# KiCad board FCSat_dual.kicad_pcb (continued)
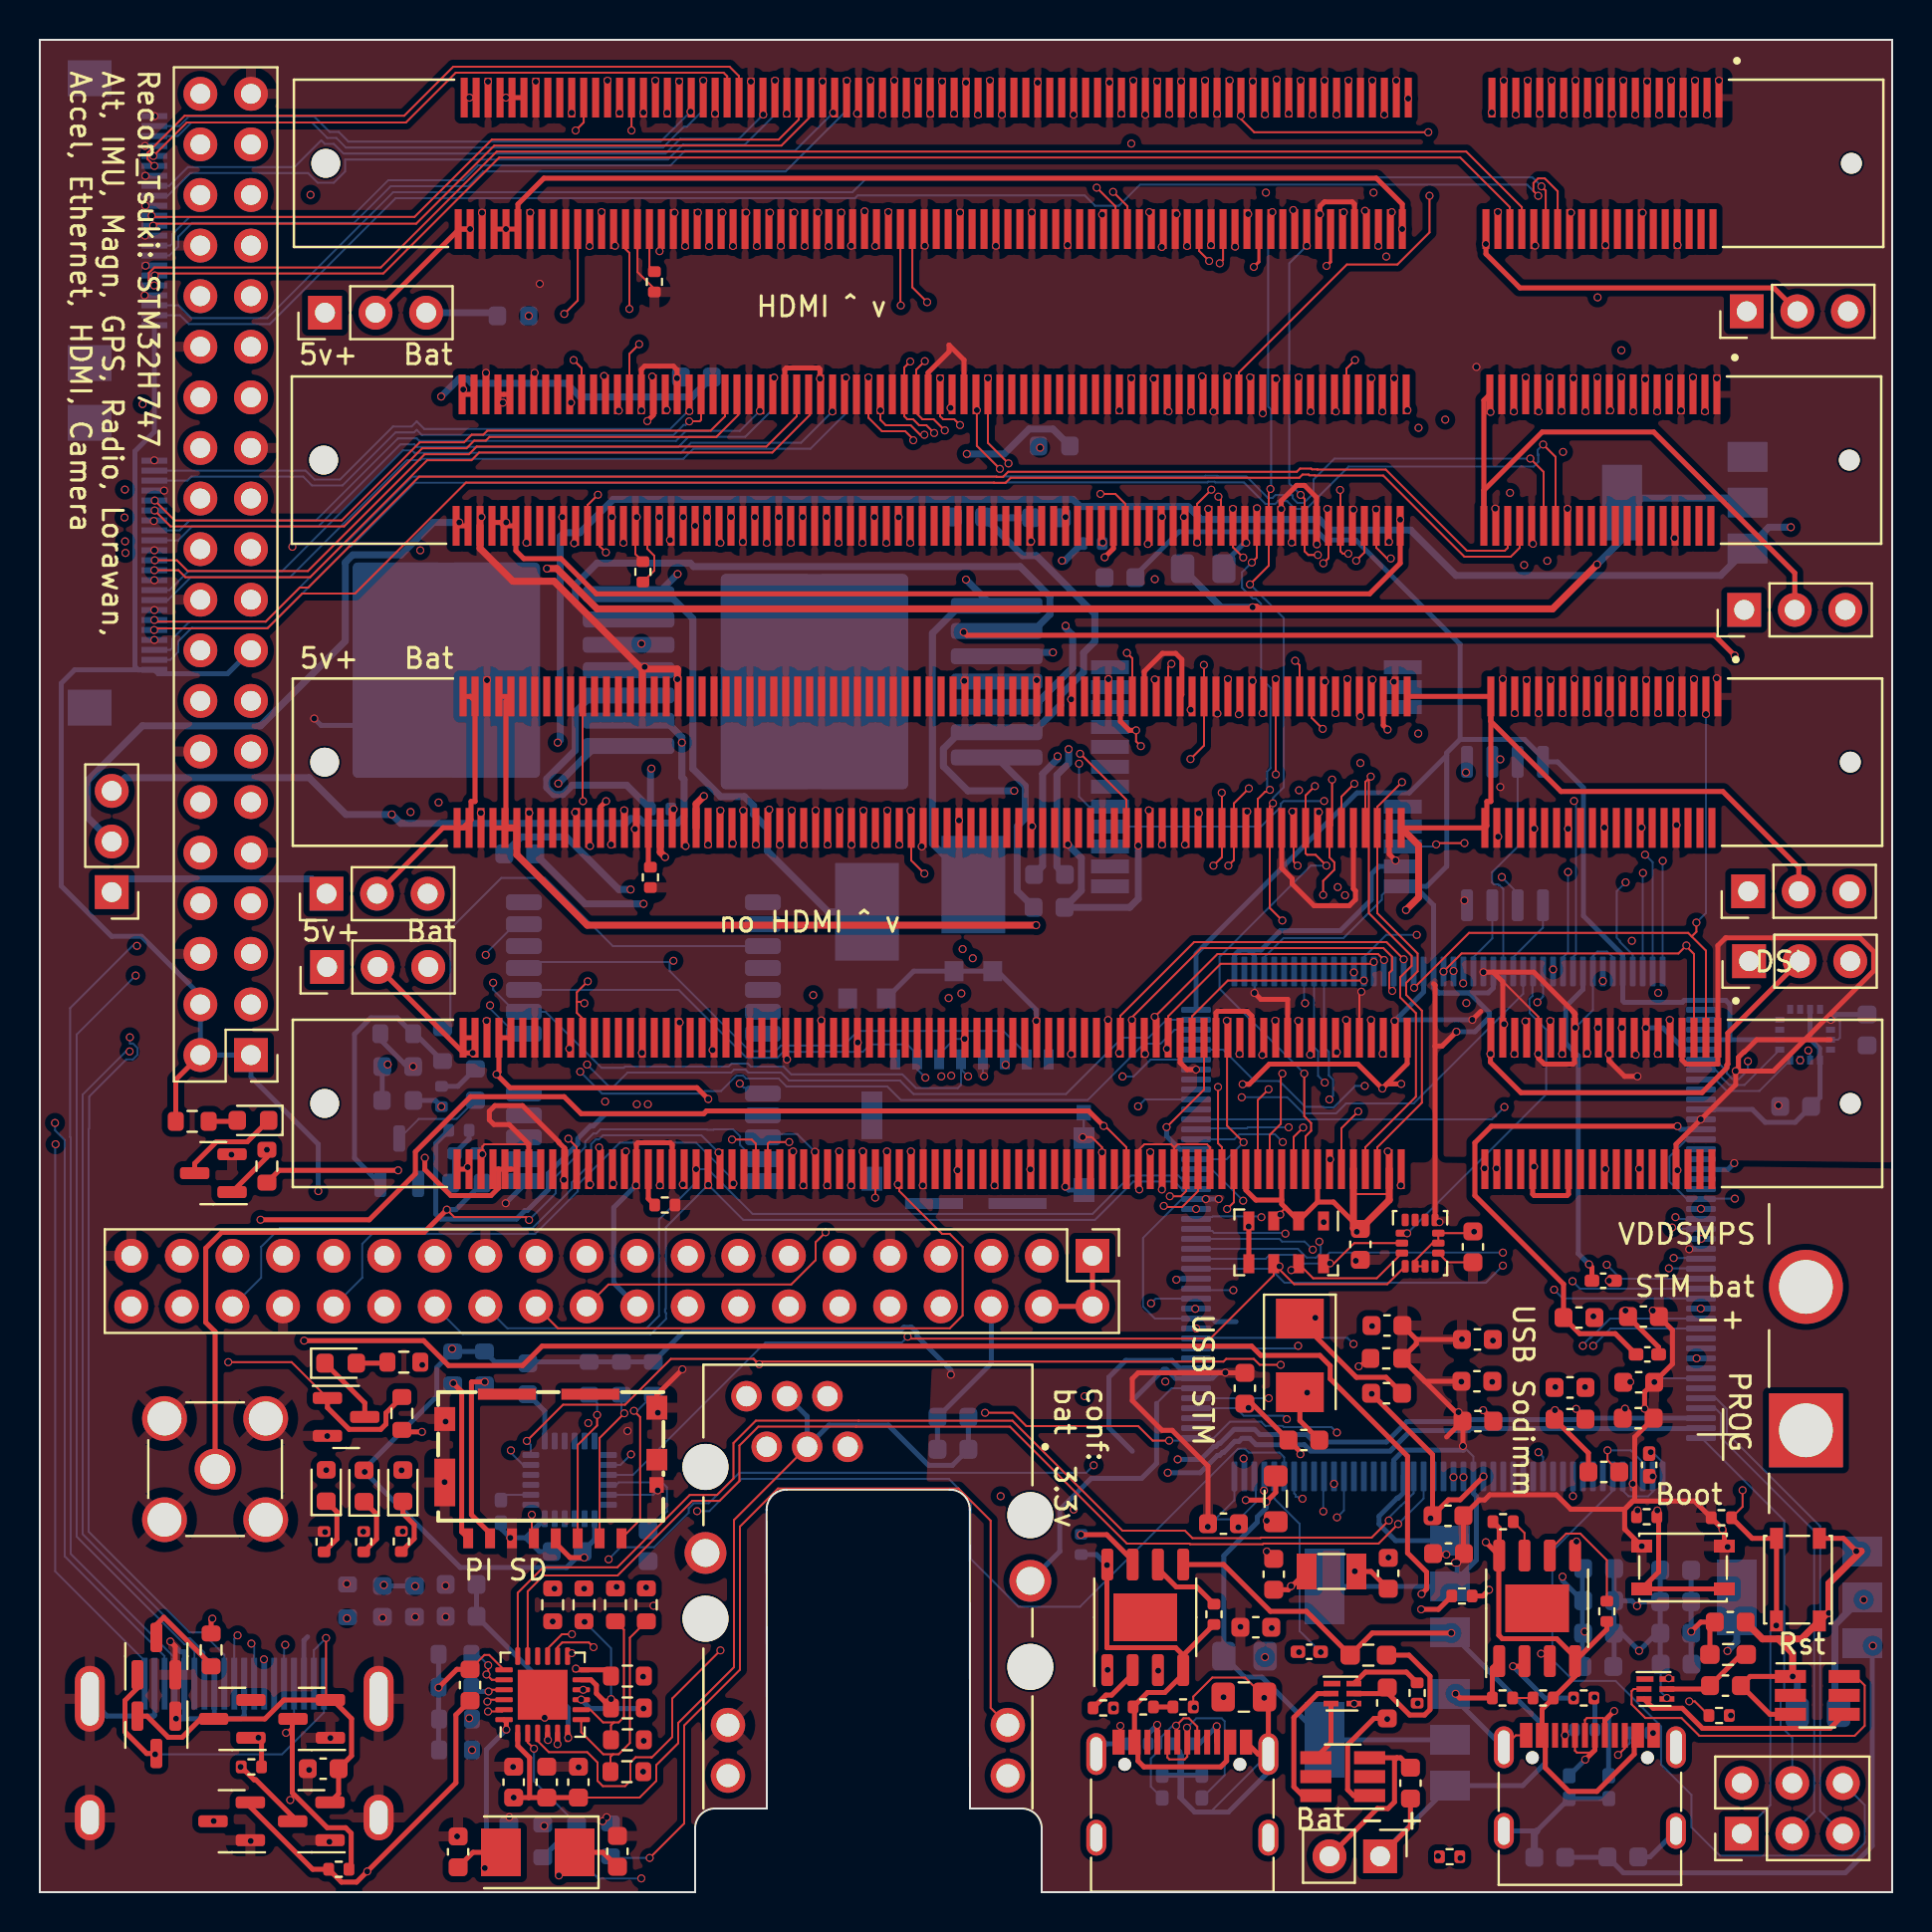
[diagram p0: board, top side]
## Nets (continued)
1CAM1_C_N: P1.8 U3.149
1CAM1_C_P: P1.9 U3.147
1CAM1_D0_N: P1.2 U3.161
1CAM1_D0_P: P1.3 U3.159
1CAM1_D1_N: P1.5 U3.155
1CAM1_D1_P: P1.6 U3.153
1CAM1_D2_N: P1.11 U3.143
1CAM1_D2_P: P1.12 U3.141
1CAM1_D3_N: P1.14 U3.137
1CAM1_D3_P: P1.15 U3.135
1CAM1_IO0: P1.17 U3.36
1CAM1_IO1: P1.18 U3.34
1CD1_SCL: P1.20 U3.30
1CD1_SDA: P1.21 U3.28
1EMMC_EN_N_1V8: Q3.1 R41.2 U3.90
+5P: 1.8vReg2.3 C70.1 C71.1 J7.3 J9.3 L6.2 U6.6 VoltReg2.3
+BATT: C61.1 C62.1 J10.3 J11.3 L5.2 U7.6
/LED1: J5.14 U1.3
/LED2: R27.2 R32.1 U1.2
/RX_N: J5.6 R30.2 U1.22
/RX_P: J5.4 R29.2 U1.23
/TX_N: J5.10 R28.2 U1.20
/TX_P: J5.12 R26.2 U1.21
/TXEN: U1.16
/~{RST}: J12.1 MainMCU1.33 R2.1 SW2.2
CAM1_C_N: P2.8 U2.149
CAM1_C_P: P2.9 U2.147
CAM1_D0_N: P2.2 U2.161
CAM1_D0_P: P2.3 U2.159
CAM1_D1_N: P2.5 U2.155
CAM1_D1_P: P2.6 U2.153
CAM1_D2_N: P2.11 U2.143
CAM1_D2_P: P2.12 U2.141
CAM1_D3_N: P2.14 U2.137
CAM1_D3_P: P2.15 U2.135
CAM1_IO0: P2.17 U2.36
CAM1_IO1: P2.18 U2.34
CD1_SCL: P2.20 U2.30
CD1_SDA: P2.21 U2.28
CRSDV: MainMCU1.52 R19.2
CS0: J3.3 MainMCU1.170
CS1: Accel1.8 MainMCU1.171
CS2: Alt1.4 Alt1.5 MainMCU1.74
CS3: IMU1.12 MainMCU1.75
CS4: GPS1.18 MainMCU1.76
D+: D2.2 MainMCU1.131 USB_C_ESP1.A6 USB_C_ESP1.B6
D-: D3.2 MainMCU1.130 USB_C_ESP1.A7 USB_C_ESP1.B7
DRDY: Magnetometer1.15 MainMCU1.94
E_PIO0: P4.3 U2.128 U3.128 U4.128 U5.128
E_PIO1: P4.5 U2.130 U3.130 U4.130 U5.130
E_PIO2: P4.7 U2.132 U3.132 U4.132 U5.132
E_PIO3: P4.11 U2.136 U3.136 U4.136 U5.136
E_PIO4: P4.13 U2.138 U3.138 U4.138 U5.138
E_PIO5: P4.15 U2.142 U3.142 U4.142 U5.142
E_PIO6: P4.19 U2.144 U3.144 U4.144 U5.144
E_PIO7: P4.21 U2.148 U3.148 U4.148 U5.148
E_PIO8: P4.23 U2.150 U3.150 U4.150 U5.150
E_PIO9: P4.27 U2.162 U3.162 U4.162 U5.162
E_PIO10: U2.166 U3.166 U4.166 U5.166
E_PIO11: P4.29 U2.172 U3.172 U4.172 U5.172
E_PIO12: P4.31 U2.174 U3.174 U4.174 U5.174
E_PIO13: P4.33 U2.176 U3.176 U4.176 U5.176
E_PIO14: P4.35 U2.178 U3.178 U4.178 U5.178
E_PIO15: P4.37 U2.180 U3.180 U4.180 U5.180
E_PIO16: P4.8
E_PIO17: P4.10
E_PIO18: P4.12 U2.179 U3.179 U4.179 U5.179
E_PIO19: P4.16
E_PIO20: P4.18
EMMC_EN_N_1V8: Q4.1 R59.2 U2.90
FIO0: Flash32MBit1.5 MainMCU1.67
FIO1: Flash32MBit1.2 MainMCU1.68
FIO2: Flash32MBit1.3 MainMCU1.69
FIO3: Flash32MBit1.7 MainMCU1.72
FIO_clk: Flash32MBit1.6 MainMCU1.57
FIO_NCS: Flash32MBit1.1 MainMCU1.73
GPIO0: MainMCU1.63 P3.27 U2.3 U3.3 U4.3 U5.3
GPIO1: MainMCU1.66 P3.28 U2.5 U3.5 U4.5 U5.5
GPIO2: MainMCU1.110 P3.3 U2.9 U3.9 U4.9 U5.9
GPIO3: MainMCU1.111 P3.5 U2.11 U3.11 U4.11 U5.11
GPIO4: MainMCU1.114 P3.7 U2.15 U3.15 U4.15 U5.15
GPIO5: MainMCU1.115 P3.29 U2.17 U3.17 U4.17 U5.17
GPIO6: MainMCU1.116 P3.31 U2.21 U3.21 U4.21 U5.21
GPIO7: MainMCU1.117 P3.26 U2.23 U3.23 U4.23 U5.23
GPIO8: MainMCU1.118 P3.24 U2.27 U3.27 U4.27 U5.27
GPIO9: MainMCU1.153 P3.21 U2.29 U3.29 U4.29 U5.29
GPIO10: MainMCU1.18 P3.19 U2.33 U3.33 U4.33 U5.33
GPIO11: MainMCU1.19 P3.23 U2.35 U3.35 U4.35 U5.35
GPIO12: P3.32 U2.45 U3.45 U4.45 U5.45
GPIO13: P3.33 U2.47 U3.47 U4.47 U5.47
GPIO16: MainMCU1.20 P3.36 U2.57 U3.57 U4.57 U5.57
GPIO17: MainMCU1.21 P3.11 U2.59 U3.59 U4.59 U5.59
GPIO18: MainMCU1.22 P3.12 U2.63 U3.63 U4.63 U5.63
GPIO19: MainMCU1.23 P3.35 U2.65 U3.65 U4.65 U5.65
GPIO20: MainMCU1.28 P3.38 U2.69 U3.69 U4.69 U5.69
GPIO21: MainMCU1.29 P3.40 U2.71 U3.71 U4.71 U5.71
GPIO22: MainMCU1.30 P3.15 U2.75 U3.75 U4.75 U5.75
GPIO23: MainMCU1.58 P3.16 U2.77 U3.77 U4.77 U5.77
GPIO24: MainMCU1.59 P3.18 U2.81 U3.81 U4.81 U5.81
GPIO25: MainMCU1.60 P3.22 U2.83 U3.83 U4.83 U5.83
GPIO26: MainMCU1.61 P3.37 U2.87 U3.87 U4.87 U5.87
GPIO27: MainMCU1.62 P3.13 U2.89 U3.89 U4.89 U5.89
GPSrst: GPS1.8 LoRaWan1.18 Magnetometer1.14 MainMCU1.77
HDMI_CEC: D8.3 J8.13 U2.171 U3.171
HDMI_CLK_N: J8.12 U2.111 U3.111
HDMI_CLK_P: J8.10 U2.113 U3.113
HDMI_D0_N: J8.9 U2.117 U3.117
HDMI_D0_P: J8.7 U2.119 U3.119
HDMI_D1_N: J8.6 U2.123 U3.123
HDMI_D1_P: J8.4 U2.125 U3.125
HDMI_D2_N: J8.3 U2.129 U3.129
HDMI_D2_P: J8.1 U2.131 U3.131
HDMI_HPD_N_1V8: R44.1 U2.88 U3.88 U4.88 U5.88
HDMI_SCL: D9.3 J8.15 R38.2 U2.175 U3.175
HDMI_SDA: D10.3 J8.16 R39.2 U2.173 U3.173
is_Charg: R7.1 R8.2
is_Charg1: R47.1 R48.2
MDC: MainMCU1.35 U1.13
MDIO: MainMCU1.43 R24.2 U1.12
PC_RX: MainMCU1.86 P3.10 P4.38 U2.53 U3.53 U4.53 U5.53
PC_TX: MainMCU1.85 P3.8 P4.40 U2.51 U3.51 U4.51 U5.51
power0 : J14.2 U2.39 U2.40 U2.41 U2.42 U2.189 U2.190 U2.191 U2.192 U2.193 U2.194
power1 : J13.2 U3.39 U3.40 U3.41 U3.42 U3.190 U3.191 U3.192 U3.193 U3.194
power2 : J15.2 U4.39 U4.40 U4.41 U4.42 U4.190 U4.191 U4.192 U4.193 U4.194
power3 : J16.2 U5.39 U5.40 U5.41 U5.42 U5.190 U5.191 U5.192 U5.193 U5.194
REFCLK: MainMCU1.42 R20.2
RXD0: MainMCU1.54 R17.2
RXD1: MainMCU1.53 R18.2
SCK: Accel1.23 Alt1.8 GPS1.19 IMU1.13 J3.5 MainMCU1.1
SCL: Magnetometer1.1 MainMCU1.95
SDA: Magnetometer1.16 MainMCU1.96
SDI: Accel1.9 Alt1.6 GPS1.20 IMU1.1 J3.7 MainMCU1.5
SDMMC1_CK: J6.5 MainMCU1.142
SDMMC1_CMD: J6.3 MainMCU1.145 R35.2
SDMMC1_D0: J6.7 MainMCU1.124 R34.2
SDO: Accel1.24 Alt1.7 GPS1.21 IMU1.14 J3.2 MainMCU1.4
Sodimm_PIO32: U2.46 U3.46 U4.46 U5.46
Sodimm_PIO33: U2.48 U3.48 U4.48 U5.48
Sodimm_PIO34: U2.52 U3.52 U4.52 U5.52
Sodimm_PIO35: U2.54 U3.54 U4.54 U5.54
Sodimm_PIO36: U2.58 U3.58 U4.58 U5.58
Sodimm_PIO37: U2.60 U3.60 U4.60 U5.60
Sodimm_PIO38: U2.64 U3.64 U4.64 U5.64
Sodimm_PIO39: U2.66 U3.66 U4.66 U5.66
Sodimm_PIO40: U2.70 U3.70 U4.70 U5.70
Sodimm_PIO41: U2.72 U3.72 U4.72 U5.72
Sodimm_PIO42: U2.76 U3.76 U4.76 U5.76
Sodimm_PIO43: U2.78 U3.78 U4.78 U5.78
Sodimm_PIO44: U2.82 U3.82 U4.82 U5.82
Sodimm_PIO45: U2.84 U3.84 U4.84 U5.84
SWclk: J12.6 MainMCU1.138
SWDIO: J12.4 MainMCU1.132
TXD0: MainMCU1.157 U1.17
TXD1: MainMCU1.158 U1.18
U0_RX: MainMCU1.87 P4.32 U2.154 U3.154 U4.154 U5.154
U0_TX: MainMCU1.88 P4.36 U2.156 U3.156 U4.156 U5.156
U1_RX: MainMCU1.27 P4.26 U2.160 U3.160 U4.160 U5.160
U1_TX: MainMCU1.26 P4.28 U2.158 U3.158 U4.158 U5.158
u1Rx: LoRaWan1.4 MainMCU1.166
u1Tx: LoRaWan1.5 MainMCU1.165
U2_RX: MainMCU1.78 P4.22 U2.124 U3.124 U4.124 U5.124
U2_TX: MainMCU1.79 P4.24 U2.126 U3.126 U4.126 U5.126
USART1_RX: J12.3 MainMCU1.129
USART1_TX: J12.5 MainMCU1.128
USB_D_N: D12.2 U2.167 U3.167 USB_C_ESP3.A7 USB_C_ESP3.B7
USB_D_P: D4.2 U2.165 U3.165 USB_C_ESP3.A6 USB_C_ESP3.B6
~{Reset}: MainMCU1.154 U1.15
Net-(1.8vReg1-VI): 1.8vReg1.3 BAT1.1 BATCharge1.5 C35.1 R15.1 VoltReg1.3
Net-(#FLG01-pwr): C42.1 C44.1 U1.6
Net-(#FLG02-pwr): C43.1 C45.1 C46.1 C47.1 C48.1 J5.5 J5.11 L4.2 R26.1 R28.1 R29.1 R30.1 U1.1 U1.19
Net-(Accel1-CPOUT): Accel1.20 C31.1
Net-(Accel1-REGOUT): Accel1.10 C32.2
Net-(BATCharge1-Prog): BATCharge1.2 R13.1
Net-(BATCharge1-~{CHRG}): BATCharge1.7 R10.1
Net-(BATCharge1-~{STDBY}): BATCharge1.6 R9.1
Net-(BATCharge2-BAT): BATCharge2.5 R61.1
Net-(BATCharge2-Prog): BATCharge2.2 R53.1
Net-(BATCharge2-~{CHRG}): BATCharge2.7 R50.1
Net-(BATCharge2-~{STDBY}): BATCharge2.6 R49.1
Net-(BatProt1-BAT): BatProt1.5 C34.2 R15.2
Net-(BatProt1-Cout): BatProt1.2 PowerMosfet1.6
Net-(BatProt1-Dout): BatProt1.3 PowerMosfet1.4
Net-(BatProt1-V-): BatProt1.6 R14.1
Net-(BatProt2-BAT): BatProt2.5 C51.2 R55.2
Net-(BatProt2-Cout): BatProt2.2 PowerMosfet2.6
Net-(BatProt2-Dout): BatProt2.3 PowerMosfet2.4
Net-(BatProt2-V-): BatProt2.6 R54.1
Net-(C5-Pad2): C5.2 MainMCU1.80
Net-(C6-Pad2): C6.2 MainMCU1.133
Net-(C7-Pad2): C7.2 MainMCU1.82 MainMCU1.135 MainMCU1.175
Net-(C23-Pad2): C23.2 MainMCU1.172
Net-(C33-Pad1): C33.1 L2.2 R4.1
Net-(D1-A): D1.2 R6.1
Net-(D1-K): D1.1 Q1.3
Net-(D5-A): D5.2 R42.2
Net-(D5-K): D5.1 Q3.3
Net-(D6-K): D6.1 R56.1
Net-(D10-K): C53.1 D7.3 D9.2 D10.2 D11.2 J8.18
Net-(D11-common): D11.3 J8.19 Q2.1
Net-(D13-K): D13.1 R57.1
Net-(D14-K): D14.1 R58.1
Net-(D15-A): D15.2 R60.2
Net-(D15-K): D15.1 Q4.3
Net-(D16-K): D16.3 L5.1 U7.1
Net-(D17-K): D17.3 L6.1 U6.1
Net-(GPS1-RF_IN): GPS1.11 J4.1 L2.1
Net-(GPS1-TIMEPULSE): GPS1.3 R3.1
Net-(GPS1-VCC): C25.2 FB1.2 GPS1.23
Net-(GPS1-VCC_RF): GPS1.9 R4.2
Net-(J5-Pad13): J5.13 R31.2
Net-(J5-Pad16): J5.16 R32.2
Net-(J6-CD/DAT3): J6.2 R36.2
Net-(J6-DAT1): J6.8 R33.2
Net-(J6-DAT2): J6.1 R37.2
Net-(J7-Pin_2): J7.2 U2.197 U2.198 U2.199 U2.200
Net-(J9-Pin_2): J9.2 U3.197 U3.198 U3.199 U3.200
Net-(J10-Pin_2): J10.2 U4.197 U4.198 U4.199 U4.200
Net-(J11-Pin_2): J11.2 U5.197 U5.198 U5.199 U5.200
Net-(MainMCU1-BOOT0): MainMCU1.167 R1.1 SW1.2
Net-(MainMCU1-PC14): C3.2 MainMCU1.10 Y1.2
Net-(MainMCU1-PC15): C1.2 MainMCU1.11 Y1.1
Net-(MainMCU1-PH0): C2.1 MainMCU1.31 Y2.2
Net-(MainMCU1-PH1): C4.1 MainMCU1.32 Y2.1
Net-(MainMCU1-VCAPDSI): C24.2 C49.2 MainMCU1.101
Net-(MainMCU1-VDD12DSI-Pad102): MainMCU1.102 MainMCU1.108 R63.1
Net-(MainMCU1-VDD33_USB): C21.2 MainMCU1.121
Net-(MainMCU1-VDD50_USB): C22.2 MainMCU1.120
Net-(MainMCU1-VLXSMPS): L3.2 MainMCU1.15
Net-(PowerMosfet1-S2): BAT1.2 C35.2 PowerMosfet1.3
Net-(Q1-B): Q1.2 R3.2 R5.2
Net-(Q2-D): Q2.3 R44.2
Net-(U1-CRS_DV/MODE2): R19.1 R23.2 U1.11
Net-(U1-RBIAS): R25.1 U1.24
Net-(U1-RXD0/MODE0): R17.1 R21.2 U1.8
Net-(U1-RXD1/MODE1): R18.1 R22.2 U1.7
Net-(U1-RXER/PHYAD0): R16.2 U1.10
Net-(U1-XTAL1/CLKIN): C38.2 U1.5 Y3.1
Net-(U1-XTAL2): C39.2 U1.4 Y3.2
Net-(U1-~{INT}/REFCLKO): R20.1 U1.14
Net-(U2-USB_OTGID): R40.2 U2.168
Net-(U3-USB_OTGID): R43.2 U3.168
Net-(U4-USB_OTGID): R45.2 U4.168
Net-(U5-USB_OTGID): R46.2 U5.168
Net-(U6-CB): C68.1 U6.3
Net-(U6-Input): BAT2.1 C52.1 C57.1 C58.1 C59.1 C60.1 C64.1 C65.1 C66.1 C67.1 R55.1 R61.2 U6.2 U7.2
Net-(U6-SS): C69.1 U6.7
Net-(U6-VSW): C68.2 R62.2 U6.5
Net-(U7-CB): C63.1 U7.3
Net-(U7-SS): C56.1 U7.7
Net-(U7-VSW): C63.2 Rw1.2 U7.5
Net-(USB_C_ESP1-CC1): R11.2 USB_C_ESP1.A5
Net-(USB_C_ESP1-CC2): R12.2 USB_C_ESP1.B5
Net-(USB_C_ESP3-CC1): R51.2 USB_C_ESP3.A5
Net-(USB_C_ESP3-CC2): R52.2 USB_C_ESP3.B5

Pads without a net: Accel1 2 3 4 5 6 7 12 14 15 16 17 19 21 22; BATCharge1 9; BATCharge2 9; BatProt1 1; BatProt2 1; D7 2; GPS1 1 4 5 6 7 14 15 16 17 22; IMU1 4 9 10 11; J3 1 8 12 13 14 15; J6 14 15; J8 14; J13 3; J14 3; J15 3; J16 3; LoRaWan1 1 2 3 6 7 8 9 10 12 15 16 17; Magnetometer1 3 4 5 6 8 10 12; MainMCU1 2 3 9 34 36 37 41 46 49 50 51 55 56 89 90 91 97 98 103 104 106 107 122 123 125 127 139 140 141 143 144 146 147 148 149 150 155 156 161 162 163 164 168 169; P1 MP; P2 MP; PowerMosfet1 2 5; PowerMosfet2 2 5; U2 2 4 6 10 12 16 18 22 24 93 94 95 96 99 100 101 102 105 106 107 108 112 114 118 120 177 183 184 185 186; U3 2 4 6 10 12 16 18 22 24 93 94 95 96 99 100 101 102 105 106 107 108 112 114 118 120 177 183 184 185 186 189; U4 2 4 6 10 12 16 18 22 24 28 30 34 36 90 93 94 95 96 99 100 101 102 105 106 107 108 111 112 113 114 117 118 119 120 123 125 129 131 135 137 141 143 147 149 153 155 159 161 165 167 171 173 175 177 183 184 185 186 189; U5 2 4 6 10 12 16 18 22 24 28 30 34 36 90 93 94 95 96 99 100 101 102 105 106 107 108 111 112 113 114 117 118 119 120 123 125 129 131 135 137 141 143 147 149 153 155 159 161 165 167 171 173 175 177 183 184 185 186 189; USB_C_ESP1 A8 B8; USB_C_ESP3 A8 B8

## Via types
v1: diameter 0.4, hole 0.3, Top to Bottom, 993 vias

## Routing (per net, layer and track width the routed paths; a pad name or vN(x,y) marks a point on that pad's centre or on a via; arc(x,y) is an arc through that point)
+1V8: length 81.5
  Top w0.25: L3.1 62.05,20.07 v1(61.58,19.6) 61.49,19.68 v1(60.55,19.68)
  In1.Cu w0.25: v1(57.06,30.75) 56.53,30.22 56.53,24.64 60.55,20.62 v1(60.55,19.68)
  In2.Cu w0.25: v1(18.16,21.18) 18.16,23.11 19.33,24.28 23.03,24.28 23.23,24.07 26.45,24.07 27.72,25.34 34.39,25.34 34.39,25.35 35.03,25.99 39.99,25.99 40.63,25.35 40.63,25.34 43.09,25.34 43.75,24.68 48.2,24.68 48.47,24.41 52.91,24.41 53.67,25.17 53.67,25.67 53.86,25.85 56.29,25.85 v1(56.51,25.64)
  Bottom w0.25: 1.8vReg1.2 1.8vReg1.2 61.35,10.8 60.49,10.8 C36.1 59.44,16.89 61.13,18.58 61.13,18.85 61.58,19.3 v1(61.58,19.6) ; MainMCU1.17 57.11,30.8 v1(57.06,30.75)
+3.3V: length 330.3
  Top w0.1: 71.95,31.62 70.67,31.62 IMU1.5
  Top w0.25: 69.11,27.75 C16.1 ; 69.11,27.75 C13.1 ; 69.11,27.75 69.11,27.52 L1.2 ; 71.5,16.88 v1(71.16,16.54) ; 79.57,19.23 79.57,18.23 80.42,17.38 ; 79.57,19.23 80.08,19.73 ; 79.57,19.23 76.86,19.23 76.14,19.95 72.79,19.95 72.54,19.69 72.27,19.69 C12.1 71.48,16.97 v1(71.05,16.54) ; 79.57,19.23 79.84,19.5 ; v1(27.33,16.8) 26.62,16.8 25.9,17.52 ; 79.84,19.5 79.98,19.64 83.08,19.64 R2.2 84.58,18.14 SW1.1 ; 79.84,19.5 80.08,19.73 ; L1.2 69.54,25.65 71.38,25.65 ; L1.2 71.42,23.76 ; C11.1 81.97,28.22 81.97,26.52 C10.1 80.57,25.12 v1(80.57,24.27) ; 70.05,42.48 70.4,42.48 v1(71.12,43.2) ; 70.05,42.48 70.05,45.54 69.98,45.61 ; 70.05,42.48 IMU1.8 ; 81.02,23.8 80.08,22.85 80.08,19.73 ; C8.1 58.65,21.39 56.85,23.19 56.34,23.19 54.85,24.68 54.85,25.78 55.14,26.07 60.5,26.07 ; v1(71.45,22.4) 71.45,23.62 ; C15.1 70.63,22.85
  In1.Cu w0.25: v1(20.7,27.28) 21.01,27.58 21.01,38.59 v1(20.16,39.44)
  In2.Cu w0.1: v1(47.41,40.96) 51.04,40.96 51.11,41.03 54.28,41.03 v1(54.36,40.95)
  Bottom w0.1: MainMCU1.126 81.25,25.8 v1(81.06,25.61) ; 67.83,50.5 67.38,50.05 67.38,49.83 65.45,47.9 62.44,47.9 61.48,46.93 MainMCU1.48 ; J3.4 47.35,41.02 v1(47.41,40.96) ; v1(54.36,40.95) 54.91,40.95 55.65,41.69 55.66,41.69 55.77,41.8 MainMCU1.39 ; MainMCU1.152 71.98,21.88 v1(71.45,22.4) ; MainMCU1.25 57.34,34.8 55.39,32.85 55.39,29.39 55.99,28.8 MainMCU1.13 ; 61.05,20.8 61.05,19.57 60.2,18.72 59.01,18.72 v1(58.64,18.35) 59.98,19.68 MainMCU1.176
  Bottom w0.25: 70.23,45.15 69.98,45.41 MainMCU1.65 69.98,49.55 69.03,50.5 ; 70.23,45.15 72.72,45.15 72.98,45.41 MainMCU1.71 ; 70.23,45.15 71.78,45.15 72.78,44.15 72.78,43.93 72.05,43.2 v1(71.12,43.2) ; VoltReg1.2 VoltReg1.2 72.13,16.67 72.13,19.88 71.98,20.02 MainMCU1.152 ; 70.63,57.07 68.76,55.2 66.13,55.2 58.05,47.11 MainMCU1.44 ; 70.63,57.07 70.63,57.2 71.31,57.88 ; 70.63,57.07 70.63,51.51 69.63,50.5 LoRaWan1.20 ; 18.76,39.75 19.86,39.75 R6.2 ; MainMCU1.160 67.98,21.69 68.47,22.19 71.48,22.19 71.48,22.37 v1(71.45,22.4) ; v1(59.52,26.09) 59.15,26.09 58.87,25.8 MainMCU1.7 57.01,25.8 56.56,26.25 56.42,26.25 54.85,24.68 ; 55,66.11 57.19,68.3 64.15,68.3 64.57,67.89 66.07,67.89 71.31,62.65 71.31,57.88 ; 84.85,42.8 Magnetometer1.2 88.88,42.8 ; 84.85,42.8 84.85,44.57 84.64,44.77 82.56,44.77 82.46,44.68 79.55,44.68 79.48,44.75 MainMCU1.84 79.48,47.04 77.5,49.02 77.5,55.45 76.2,56.75 75.46,56.75 ; 84.85,42.8 MainMCU1.92 ; 60.06,28.64 59.03,28.64 58.87,28.8 58.02,28.8 ; 75.46,56.95 74.54,57.88 71.31,57.88 ; 89.36,41.8 89.36,42.37 88.92,42.8 88.88,42.8 ; Magnetometer1.13 89.38,39.9 C18.1 88.13,38.65 86.63,38.65 85.98,39.3 MainMCU1.99 ; 88.88,42.8 Magnetometer1.7 ; MainMCU1.8 57.23,26.3 56.83,26.7 54.52,26.7 53.67,25.85 53.67,23.31 54.85,22.14 ; Accel1.13 27.85,17.7 C26.1 26.45,16.3 21.11,16.3 v1(16.31,21.1) 16.31,21.27 19.93,24.89 19.93,26.34 R33.1 R34.1 22.84,26.62 R37.1 32.36,28.19 43.2,28.19 43.37,28.36 43.77,28.36 44.04,28.09 44.04,27.91 45.74,26.22 v1(45.74,25.98) ; v1(58.54,34.8) v1(59.19,34.8) ; 71.16,15.71 v1(71.16,16.54)
  vias: v1(59.43,9.79) v1(60.28,13.32) v1(64.46,33.64) v1(66.07,31.7) v1(70.27,33.64) v1(71.23,24.1) v1(71.4,27.76) v1(71.37,25.63) v1(79.98,20.5) v1(80.43,17.37) v1(80.98,29.2) v1(82.81,32.28) v1(84.48,18.21) v1(84.74,17.33)
